# Allegro board 8880F5-0823_9.brd (continued)
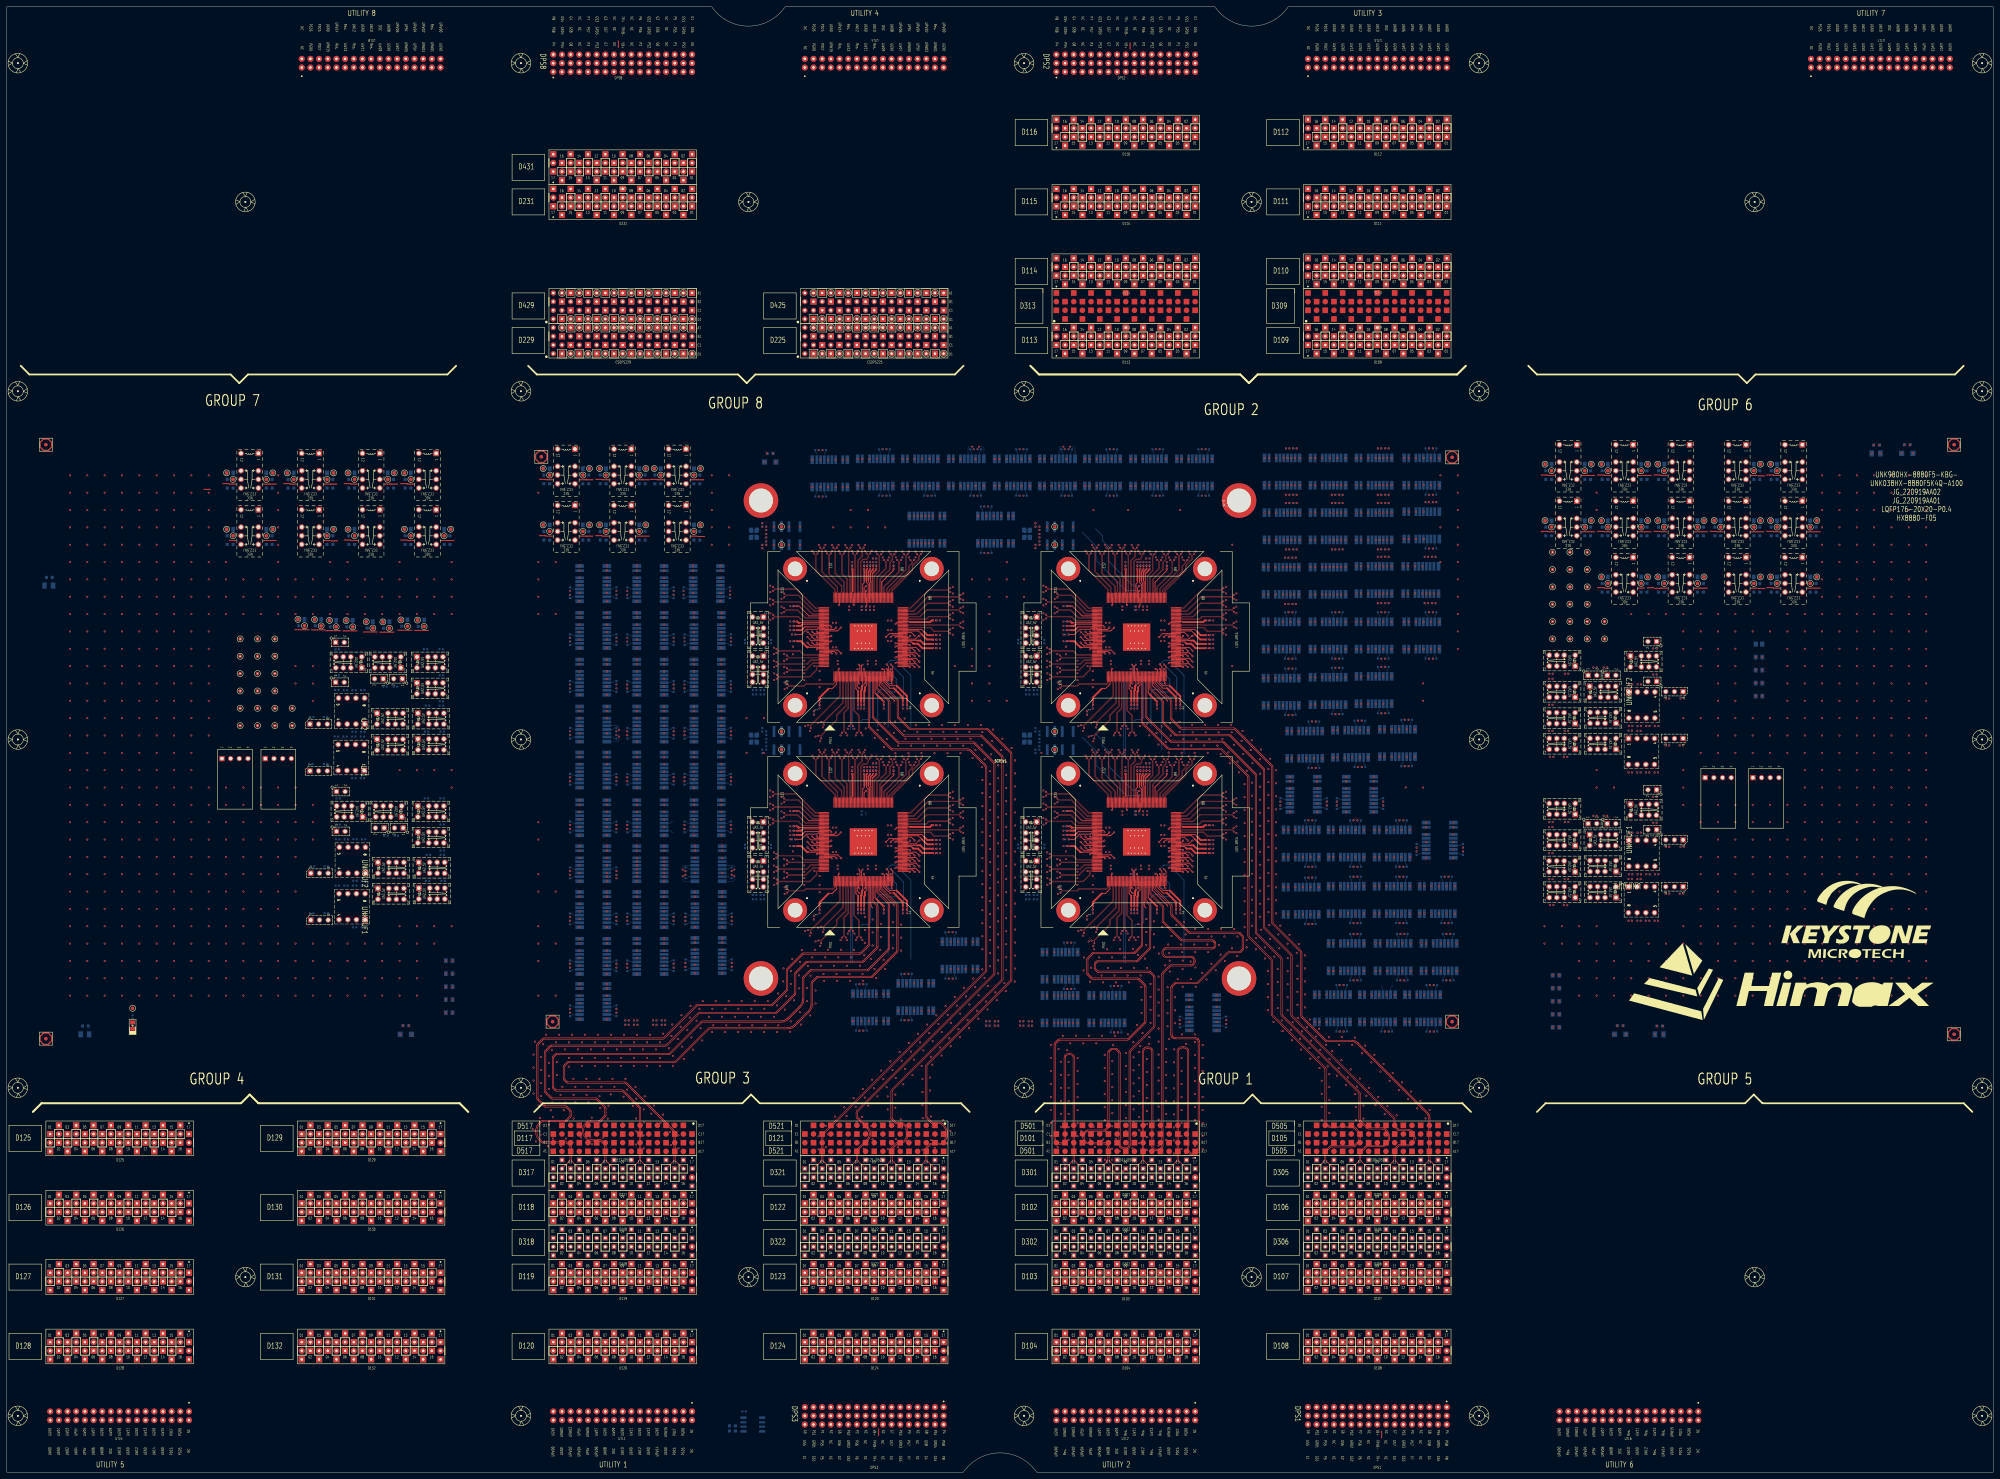
[diagram p0: board, top side]
## Routing (per net, layer and track width the routed paths; a pad name or vN(x,y) marks a point on that pad's centre or on a via; arc(x,y) is an arc through that point) (continued)
  L32_SIGNAL w0.071: v1(376.7,270.32) 376.23,269.85 376.23,268.9 375.8,268.48 357.74,268.48 356.74,269.48 349.23,269.48 347.7,267.96 347.18,267.96 346.97,268.16 346.97,268.46 v1(346.5,268.93)
D11901: length 833.7
  TOP w0.086: v1(248.93,209.15) 248.55,208.77 248.55,197.86 248.63,197.78 SITE3.116
  L07_SIGNAL w0.071: D119.01 162.33,53.57 162.33,48.73 160.09,46.49 151.15,46.49 145.39,52.25 145.39,176.4 167.54,198.56 178.26,198.56 179.96,200.25 179.96,202.65 179.52,203.09 178.97,203.09 v1(178.5,203.56)
  L30_SIGNAL w0.071: v1(248.93,209.15) 248.46,208.68 248.46,201.64 241.68,194.86 226.06,194.86 224.13,196.78 220.58,196.78 218.06,194.26 160.97,194.26 148.36,181.64 87.98,181.64 82.22,175.88 44.84,175.88 35.71,185 35.71,199.83 36.24,200.36 37.1,200.36 37.56,199.89 37.56,185.19 38.4,184.36 39.41,184.36 40.02,184.96 40.02,199.61 40.83,200.42 42.2,200.42 42.96,199.66 42.96,180.05 44.59,178.42 82.72,178.42 83.37,179.07 83.37,180.53 82.77,181.13 45.25,181.13 44.49,181.89 44.49,183.21 45.48,184.2 82.77,184.2 83.22,184.65 83.22,186.21 82.88,186.56 46.92,186.56 45.11,188.37 45.11,198.97 46.1,199.96 94.67,199.96 95.37,200.65 129.04,200.65 129.87,199.83 167.76,199.83 170.29,202.36 176.03,202.36 176.76,203.09 178.02,203.09 v1(178.5,203.56)
D11902: length 833.7
  TOP w0.086: SITE3.126 244.63,197.78 244.55,197.86 244.55,199.62 240.83,203.34 240.83,208.7 v1(241.28,209.15)
  L07_SIGNAL w0.071: v1(178.5,189.59) 178.03,189.12 176.56,189.12 169.97,182.53 169.97,142.98 155.24,128.25 155.24,108.94 148.74,102.44 148.74,67.93 154.82,61.85 164.45,61.85 165,61.3 165,60.86 D119.02
  L30_SIGNAL w0.071: v1(178.5,189.59) 178.03,189.12 177,189.12 175.89,188.02 175.1,188.02 173.97,186.89 173.97,176.76 168.84,171.63 166.32,171.63 162.98,168.29 154.46,168.29 153.12,169.63 107.51,169.63 105.05,167.16 44.24,167.16 42.37,165.3 42.37,141.32 41.87,140.82 40.75,140.82 40.35,141.21 40.35,178.08 39.82,178.61 37.94,178.61 37.33,178 37.33,140.96 36.68,140.3 35.64,140.3 35.1,140.84 35.1,199.35 34.57,199.88 32.97,199.88 31.79,198.71 31.79,140.62 31.24,140.07 30.48,140.07 29.85,140.7 29.85,200.11 30.97,201.23 167.58,201.23 174.53,208.19 212.1,208.19 213.75,209.83 232.99,209.83 236.51,206.3 239.96,206.3 240.81,207.15 240.81,208.68 v1(241.28,209.15)
D11903: length 833.7
  TOP w0.086: v1(247.79,209.15) 248.31,208.63 248.31,197.86 248.23,197.78 SITE3.117
  L07_SIGNAL w0.071: D119.03 163.86,54.64 163,54.64 162.53,54.18 162.53,48.65 160.18,46.29 151.06,46.29 145.19,52.17 145.19,176.48 167.46,198.75 178.18,198.75 179.76,200.33 179.76,202.57 179.44,202.89 178.97,202.89 v1(178.5,202.42)
  L30_SIGNAL w0.071: v1(178.5,202.42) 178.03,202.89 176.84,202.89 176.11,202.16 170.37,202.16 167.84,199.63 129.79,199.63 128.96,200.45 95.45,200.45 94.76,199.76 46.18,199.76 45.3,198.89 45.3,188.45 47,186.76 82.96,186.76 83.42,186.3 83.42,184.57 82.85,184.01 45.56,184.01 44.69,183.13 44.69,181.97 45.33,181.33 82.85,181.33 83.57,180.61 83.57,178.99 82.8,178.22 44.51,178.22 42.76,179.97 42.76,199.58 42.11,200.22 40.91,200.22 40.21,199.53 40.21,184.88 39.49,184.16 38.31,184.16 37.36,185.11 37.36,199.81 37.02,200.16 36.32,200.16 35.91,199.75 35.91,185.08 44.92,176.07 82.13,176.07 87.9,181.84 148.27,181.84 160.89,194.46 217.98,194.46 220.5,196.98 224.21,196.98 226.14,195.06 241.6,195.06 248.26,201.72 248.26,208.68 v1(247.79,209.15)
D11904: length 833.7
  TOP w0.086: v1(240.14,209.15) 240.59,208.7 240.59,203.24 244.31,199.52 244.31,197.86 244.23,197.78 SITE3.127
  L07_SIGNAL w0.071: v1(178.5,188.45) 178.03,188.92 176.64,188.92 170.17,182.45 170.17,142.9 155.44,128.17 155.44,108.86 148.94,102.36 148.94,68.01 154.9,62.05 164.53,62.05 165.2,61.38 165.2,60.86 D119.04
  L30_SIGNAL w0.071: v1(178.5,188.45) 178.02,188.92 177.08,188.92 175.98,187.82 175.18,187.82 174.16,186.8 174.16,176.68 168.92,171.43 166.4,171.43 163.06,168.09 154.37,168.09 153.04,169.43 107.6,169.43 105.13,166.96 44.32,166.96 42.57,165.21 42.57,141.23 41.95,140.62 40.67,140.62 40.15,141.13 40.15,177.99 39.74,178.41 38.02,178.41 37.53,177.92 37.53,140.87 36.76,140.1 35.55,140.1 34.9,140.76 34.9,199.27 34.49,199.68 33.05,199.68 31.99,198.62 31.99,140.54 31.33,139.87 30.4,139.87 29.65,140.62 29.65,200.19 30.89,201.43 167.49,201.43 174.45,208.38 212.02,208.38 213.66,210.03 233.07,210.03 236.6,206.5 239.88,206.5 240.61,207.23 240.61,208.68 v1(240.14,209.15)
D11905: length 833.7
  TOP w0.086: SITE3.120 247.03,197.78 246.95,197.86 246.95,202.28 246.61,202.62 246.61,210.41 v1(247.07,210.87)
  L07_SIGNAL w0.071: v1(164.91,203.56) 165.38,203.09 166.07,203.09 166.39,202.77 166.39,198.61 141.42,173.65 141.42,53.7 151.08,44.04 170.05,44.04 172.62,46.62 172.62,53.44 D119.05
  L30_SIGNAL w0.071: v1(164.91,203.56) 165.38,203.09 166.68,203.09 169.42,205.82 169.42,207.74 168.51,208.64 156.85,208.64 150.45,202.24 28.6,202.24 27.39,201.04 27.39,147.22 27.01,146.83 25.19,146.83 24.75,147.27 24.75,192 23.86,192.88 23.14,192.88 22.38,192.12 22.38,139.67 21.77,139.05 20.07,139.05 19.4,139.72 19.4,198.99 24.08,203.66 148.53,203.66 155.18,210.32 211.32,210.32 217.62,216.63 241.91,216.63 246.6,211.94 246.6,211.34 v1(247.07,210.87)
D11906: length 833.7
  TOP w0.086: v1(250.93,210.87) 250.46,210.4 250.46,208.18 249.35,207.06 249.35,197.86 249.43,197.78 SITE3.114
  L07_SIGNAL w0.071: D119.06 175.14,60.84 175.14,61.76 174.41,62.48 156.56,62.48 151.78,67.26 151.78,102.36 157.96,108.54 157.96,126.69 171.06,139.79 171.06,179.9 180.28,189.12 181.2,189.12 v1(181.67,189.59)
  L30_SIGNAL w0.071: v1(181.67,189.59) 181.21,189.12 180.25,189.12 178.94,190.43 175.23,190.43 172.87,188.07 167.34,188.07 165.49,186.22 156.84,186.22 156.24,185.61 156.24,183.87 156.82,183.29 166.23,183.29 166.81,182.7 166.81,180.98 165.9,180.07 130.94,180.07 130.29,179.42 130.29,178.55 130.95,177.89 163.56,177.89 164.22,177.23 164.22,176.57 163.6,175.95 131.15,175.95 130.1,174.91 130.1,173.9 130.86,173.14 164.44,173.14 165.31,174.02 168.46,174.02 168.76,173.72 168.76,173.04 168.28,172.56 166.12,172.56 165.02,171.46 130.64,171.46 129.1,173 95.68,173 91.82,169.14 43.72,169.14 43.06,169.8 43.06,170.81 43.64,171.39 92.24,171.39 92.95,172.1 92.95,172.93 92.52,173.36 43.27,173.36 43.02,173.6 43.02,174.09 43.26,174.32 82.23,174.32 88.6,180.7 148.8,180.7 160.42,192.32 224.29,192.32 226.05,194.08 227.84,194.08 229.18,192.74 241.58,192.74 250.46,201.62 250.46,210.4 v1(250.93,210.87)
D11907: length 833.7
  TOP w0.086: SITE3.121 246.63,197.78 246.71,197.86 246.71,202.19 246.38,202.52 246.38,210.42 v1(245.93,210.87)
  L07_SIGNAL w0.071: D119.07 172.82,53.44 172.82,46.54 170.13,43.84 151,43.84 141.23,53.62 141.23,173.73 166.19,198.69 166.19,202.69 165.99,202.89 165.38,202.89 v1(164.91,202.42)
  L30_SIGNAL w0.071: v1(164.91,202.42) 165.38,202.89 166.76,202.89 169.61,205.74 169.61,207.82 168.6,208.84 156.76,208.84 150.36,202.44 28.52,202.44 27.2,201.12 27.2,147.3 26.93,147.03 25.27,147.03 24.95,147.36 24.95,192.08 23.94,193.08 23.06,193.08 22.18,192.21 22.18,139.75 21.68,139.25 20.15,139.25 19.6,139.8 19.6,198.9 24.16,203.46 148.61,203.46 155.27,210.12 211.4,210.12 217.71,216.43 241.83,216.43 246.4,211.86 246.4,211.34 v1(245.93,210.87)
D11908: length 833.7
  TOP w0.086: SITE3.115 249.03,197.78 249.11,197.86 249.11,207.16 250.22,208.28 250.22,210.43 v1(249.79,210.87)
  L07_SIGNAL w0.071: v1(181.67,188.45) 181.2,188.92 180.37,188.92 171.26,179.81 171.26,139.71 158.16,126.61 158.16,108.46 151.98,102.28 151.98,67.34 156.64,62.68 174.5,62.68 175.34,61.84 175.34,60.88 D119.08
  L30_SIGNAL w0.071: v1(249.79,210.87) 250.26,210.4 250.26,201.7 241.5,192.94 229.26,192.94 227.92,194.27 225.97,194.27 224.21,192.51 160.33,192.51 148.71,180.89 88.52,180.89 82.15,174.52 43.17,174.52 42.83,174.17 42.83,173.52 43.19,173.16 92.44,173.16 92.75,172.85 92.75,172.18 92.16,171.59 43.56,171.59 42.86,170.9 42.86,169.71 43.64,168.94 91.9,168.94 95.76,172.8 129.02,172.8 130.56,171.26 165.1,171.26 166.21,172.36 168.37,172.36 168.96,172.95 168.96,173.8 168.55,174.21 165.23,174.21 164.36,173.34 130.94,173.34 130.3,173.98 130.3,174.83 131.23,175.76 163.69,175.76 164.42,176.49 164.42,177.31 163.64,178.09 131.03,178.09 130.49,178.63 130.49,179.34 131.03,179.88 165.98,179.88 167.01,180.9 167.01,182.79 166.31,183.48 156.9,183.48 156.44,183.95 156.44,185.53 156.93,186.02 165.57,186.02 167.42,187.87 172.95,187.87 175.31,190.23 178.86,190.23 180.16,188.93 181.2,188.93 v1(181.67,188.45)
D11909: length 833.7
  TOP w0.086: SITE3.81 263.98,190.43 264.06,190.51 267.46,190.51 269.46,192.51 278.8,192.51 v1(279.29,192.02)
  L07_SIGNAL w0.071: v1(250.81,142.94) 250.33,142.47 250.33,141.84 248.85,140.35 248.85,137.45 208.13,96.73 208.13,53.31 202.8,47.98 184.31,47.98 183.01,49.28 183.01,53.41 181.62,54.8 181.42,54.8 D119.09
  L30_SIGNAL w0.071: v1(250.81,142.94) 250.33,142.46 250.33,141.49 250.71,141.11 252.76,141.11 255.37,143.72 255.37,146.79 257.5,148.93 257.5,166.01 261.97,170.48 261.97,189.9 264.69,192.62 264.69,194.3 263.9,195.09 251.41,195.09 244.31,188 241.52,188 241.05,188.47 228.94,188.47 222.16,181.69 216.52,181.69 215.57,182.64 184.19,182.64 183.8,182.25 183.8,172.37 186.67,169.49 186.67,159.4 181.01,153.74 97.96,153.74 97.58,153.36 97.58,152.2 98.09,151.69 127.64,151.69 128.63,152.67 139.17,152.67 139.97,151.88 139.97,149.96 139.04,149.03 127.92,149.03 126.59,150.36 98.68,150.36 97.67,149.34 97.67,148.1 98.05,147.71 139.52,147.71 140.78,146.45 140.78,145.65 139.8,144.67 126.52,144.67 125.61,145.58 96.91,145.58 95.79,146.7 95.79,155.21 97.12,156.55 166.54,156.55 176.39,166.39 176.39,170.49 179.4,173.51 179.4,182.62 181.36,184.58 210.71,184.58 214.65,188.52 226.99,188.52 228.39,189.92 244.68,189.92 251.17,196.41 271.91,196.41 275.48,192.84 277.24,192.84 279.47,190.61 280.88,190.61 281.3,191.03 281.3,191.99 280.8,192.49 279.76,192.49 v1(279.29,192.02)
D11910: length 833.7
  TOP w0.086: SITE3.87 263.98,192.83 264.06,192.91 264.57,192.91 269.88,198.23 275.83,198.23 v1(276.24,197.81)
  L07_SIGNAL w0.071: v1(178.5,176.13) 178.03,175.66 177.16,175.66 176.33,176.49 175.06,176.49 172.12,173.54 172.12,128.3 170.32,126.5 170.32,119.03 172.11,117.23 191.01,117.23 203.04,105.2 203.04,64.61 201.1,62.68 186.35,62.68 185.65,61.98 185.65,61.03 185.04,60.42 184.88,60.42 D119.10
  L30_SIGNAL w0.071: v1(178.5,176.13) 178.02,175.66 177.57,175.66 177.3,175.39 177.3,173.43 176.16,172.29 175.44,172.29 174.34,171.19 174.34,167.39 164.43,157.49 48.88,157.49 47.54,156.16 47.54,153.31 49.16,151.7 92.72,151.7 93.81,150.61 93.81,148.01 92.6,146.8 48.23,146.8 47.38,145.96 47.38,144.59 48.58,143.39 112,143.39 112.54,142.85 112.54,141.2 112,140.65 45.8,140.65 44.75,141.7 44.75,162.96 45.55,163.75 127.05,163.75 130.4,167.1 167.87,167.1 169.09,168.33 169.09,170.09 176.57,177.57 176.57,182.68 178.97,185.08 210.54,185.08 214.32,188.86 225.81,188.86 227.67,190.71 243.03,190.71 250.6,198.28 275.77,198.28 v1(276.24,197.81)
D11911: length 833.7
  TOP w0.086: SITE3.82 263.98,190.83 264.06,190.75 267.37,190.75 269.36,192.75 278.88,192.75 v1(279.29,193.16)
  L07_SIGNAL w0.071: v1(249.66,142.94) 250.14,142.47 250.14,141.92 248.65,140.44 248.65,137.53 207.93,96.82 207.93,53.4 202.71,48.17 184.39,48.17 183.21,49.36 183.21,53.67 D119.11
  L30_SIGNAL w0.071: v1(249.66,142.94) 250.13,142.47 250.13,141.41 250.63,140.91 252.84,140.91 255.56,143.63 255.56,146.71 257.7,148.85 257.7,165.93 262.17,170.39 262.17,189.82 264.89,192.54 264.89,194.38 263.98,195.29 251.32,195.29 244.23,188.19 241.61,188.19 241.13,188.67 228.86,188.67 222.08,181.89 216.6,181.89 215.66,182.83 184.11,182.83 183.6,182.33 183.6,172.28 186.48,169.41 186.48,159.49 180.93,153.94 97.88,153.94 97.38,153.44 97.38,152.12 98,151.49 127.73,151.49 128.71,152.48 139.09,152.48 139.77,151.8 139.77,150.04 138.95,149.23 128.01,149.23 126.68,150.56 98.6,150.56 97.47,149.43 97.47,148.02 97.97,147.52 139.44,147.52 140.59,146.37 140.59,145.73 139.72,144.86 126.61,144.86 125.69,145.78 96.99,145.78 95.99,146.78 95.99,155.13 97.2,156.35 166.62,156.35 176.59,166.31 176.59,170.41 179.6,173.42 179.6,182.53 181.45,184.38 210.79,184.38 214.74,188.32 227.07,188.32 228.47,189.72 244.76,189.72 251.25,196.21 271.83,196.21 275.4,192.64 277.15,192.64 279.39,190.41 280.96,190.41 281.5,190.95 281.5,192.08 280.89,192.69 279.76,192.69 v1(279.29,193.16)
D11912: length 833.7
  TOP w0.086: v1(276.24,198.95) 275.76,198.47 269.78,198.47 264.47,193.15 264.06,193.15 263.98,193.23 SITE3.88
  L07_SIGNAL w0.071: v1(178.5,174.99) 178.03,175.46 177.08,175.46 176.25,176.29 175.15,176.29 172.31,173.46 172.31,128.22 170.51,126.42 170.51,119.12 172.2,117.43 191.09,117.43 203.24,105.28 203.24,64.53 201.19,62.48 186.43,62.48 185.85,61.9 185.85,60.53 D119.12
  L30_SIGNAL w0.071: v1(276.24,198.95) 275.77,198.48 250.52,198.48 242.95,190.91 227.59,190.91 225.73,189.06 214.24,189.06 210.46,185.28 178.89,185.28 176.37,182.76 176.37,177.66 168.89,170.17 168.89,168.41 167.78,167.3 130.32,167.3 126.96,163.95 45.47,163.95 44.56,163.04 44.56,141.62 45.72,140.45 112.08,140.45 112.74,141.11 112.74,142.94 112.08,143.59 48.66,143.59 47.58,144.67 47.58,145.87 48.31,146.6 92.68,146.6 94,147.93 94,150.69 92.8,151.89 49.24,151.89 47.74,153.39 47.74,156.07 48.96,157.29 164.52,157.29 174.53,167.31 174.53,171.1 175.52,172.09 176.24,172.09 177.5,173.35 177.5,175.31 177.65,175.46 178.03,175.46 v1(178.5,174.99)
D11913: length 833.7
  TOP w0.086: SITE3.122 246.23,197.78 246.15,197.86 246.15,201.71 244.69,203.17 244.69,208.7 v1(245.14,209.15)
  L07_SIGNAL w0.071: v1(212.03,203.56) 212.5,203.09 213.45,203.09 214.13,203.78 214.13,211.17 219.55,216.59 219.55,224.99 227.45,232.88 258.03,232.88 261.92,236.78 261.92,249.51 256.69,254.74 239.97,254.74 233.79,248.56 233.79,246.12 231.95,244.28 225.63,244.28 222.98,241.63 217.45,241.63 216.08,240.26 216.08,222.49 213.25,219.67 209.05,219.67 208.45,219.06 208.45,135.63 207.41,134.59 206.06,134.59 205.1,135.56 205.1,219.48 204.66,219.91 204.05,219.91 203.78,219.64 203.78,139.65 203.31,139.18 202.49,139.18 202.04,139.62 202.04,200.65 201.42,201.27 200.39,201.27 199.57,200.45 199.57,147.7 198.99,147.12 197.65,147.12 196.05,148.72 196.05,199.99 195.4,200.63 194.76,200.63 194.15,200.02 194.15,141.4 205.38,130.16 205.38,53.08 202.21,49.91 194.2,49.91 193.18,50.92 193.18,53.96 192.32,54.83 191.55,54.83 D119.13
  L30_SIGNAL w0.071: v1(245.14,209.15) 244.67,208.68 244.67,202.26 240,197.59 228.42,197.59 221.33,204.68 210.89,204.68 210.24,204.03 210.24,203.55 210.7,203.09 211.55,203.09 v1(212.03,203.56)
D11914: length 833.7
  TOP w0.086: v1(242.02,210.88) 242.49,210.41 242.49,203.28 245.11,200.65 245.11,197.86 245.03,197.78 SITE3.125
  L07_SIGNAL w0.071: D119.14 194.96,60.34 194.96,61.01 196.11,62.16 201.58,62.16 204.15,64.73 204.15,107.11 189.09,122.17 185.68,122.17 182.77,125.09 182.77,133.73 183.43,134.39 183.43,197.84 192.42,206.83 198.95,206.83 200.29,205.5 200.29,203.58 199.6,202.89 198.91,202.89 v1(198.44,202.42)
  L30_SIGNAL w0.071: v1(198.44,202.42) 197.97,202.89 197.21,202.89 195.78,201.46 180.12,201.46 176.81,198.14 165.68,198.14 164.48,196.94 48.67,196.94 48.08,196.34 48.08,194.83 49.08,193.83 68.84,193.83 69.36,193.31 69.36,192.57 68.9,192.11 48.38,192.11 47.28,191 47.28,189.9 48.72,188.46 84.84,188.46 87.15,186.14 148.09,186.14 148.68,185.55 148.68,184.01 147.34,182.68 107.24,182.68 105.62,184.29 96.86,184.29 95.27,182.7 88.67,182.7 83.97,187.4 47.54,187.4 46.07,188.87 46.07,197.19 47.05,198.17 100.41,198.17 101.23,198.99 168.13,198.99 170.42,201.29 178.32,201.29 179.11,202.07 179.11,203.88 181.38,206.15 222.43,206.15 229.1,199.48 237.33,199.48 242.49,204.65 242.49,210.41 v1(242.02,210.88)
D11915: length 833.7
  TOP w0.086: SITE3.123 245.83,197.78 245.91,197.86 245.91,201.61 244.46,203.07 244.46,208.69 v1(244,209.15)
  L07_SIGNAL w0.071: D119.15 193.38,53.68 193.38,53.56 193.38,51 194.28,50.11 202.13,50.11 205.18,53.16 205.18,130.08 193.95,141.32 193.95,200.1 194.68,200.83 195.48,200.83 196.24,200.07 196.24,148.81 197.73,147.32 198.9,147.32 199.37,147.78 199.37,200.54 200.31,201.47 201.5,201.47 202.24,200.73 202.24,139.71 202.57,139.38 203.23,139.38 203.59,139.74 203.59,219.73 203.97,220.11 204.74,220.11 205.29,219.56 205.29,135.64 206.14,134.79 207.32,134.79 208.25,135.72 208.25,219.15 208.97,219.86 213.17,219.86 215.88,222.58 215.88,240.34 217.37,241.83 222.9,241.83 225.55,244.48 231.87,244.48 233.59,246.2 233.59,248.64 239.89,254.93 256.77,254.93 262.12,249.59 262.12,236.7 258.11,232.69 227.53,232.69 219.74,224.9 219.74,216.5 214.33,211.09 214.33,203.7 213.53,202.89 212.5,202.89 v1(212.03,202.42)
  L30_SIGNAL w0.071: v1(212.03,202.42) 211.55,202.89 210.62,202.89 210.04,203.47 210.04,204.11 210.81,204.87 221.42,204.87 228.5,197.79 239.92,197.79 244.47,202.34 244.47,208.68 v1(244,209.15)
D11916: length 833.7
  TOP w0.086: v1(243.16,210.88) 242.73,210.45 242.73,203.37 245.35,200.75 245.35,197.86 245.43,197.78 SITE3.124
  L07_SIGNAL w0.071: v1(198.44,203.56) 198.91,203.09 199.51,203.09 200.09,203.66 200.09,205.41 198.87,206.63 192.5,206.63 183.63,197.76 183.63,134.31 182.96,133.64 182.96,125.17 185.76,122.37 189.17,122.37 204.35,107.19 204.35,64.65 201.66,61.96 196.19,61.96 195.16,60.93 195.16,59.88 195.42,59.62 196.92,59.62 D119.16
  L30_SIGNAL w0.071: v1(243.16,210.88) 242.69,210.41 242.69,204.57 237.41,199.29 229.02,199.29 222.35,205.96 181.46,205.96 179.31,203.8 179.31,201.99 178.41,201.09 170.51,201.09 168.21,198.79 101.31,198.79 100.49,197.97 47.13,197.97 46.27,197.11 46.27,188.95 47.62,187.6 84.05,187.6 88.75,182.9 95.19,182.9 96.78,184.49 105.7,184.49 107.32,182.87 147.26,182.87 148.48,184.1 148.48,185.47 148,185.95 87.07,185.95 84.76,188.26 48.63,188.26 47.08,189.81 47.08,191.08 48.3,192.3 68.82,192.3 69.16,192.65 69.16,193.22 68.76,193.63 48.99,193.63 47.88,194.75 47.88,196.43 48.59,197.13 164.4,197.13 165.6,198.34 176.72,198.34 180.04,201.66 195.7,201.66 197.13,203.08 197.96,203.08 v1(198.44,203.56)
D12001: length 451.5
  TOP w0.086: v1(267.64,208.93) 267.21,208.5 267.21,207.41 265.32,205.52 265.32,204.13 259.35,198.16 259.35,197.86 259.43,197.78 SITE3.89
  L05_SIGNAL w0.071: v1(164.91,176.13) 165.38,175.66 166.14,175.66 166.45,175.35 166.45,171.77 161.32,166.65 158.93,166.65 157.14,164.86 157.14,126.76 158.12,125.77 158.12,110.78 152.24,104.9 152.24,32.51 155.33,29.42 160.27,29.42 162.44,31.6 162.44,33.14 D120.01
  L32_SIGNAL w0.071: v1(164.91,176.13) 164.91,175.73 164.84,175.66 158.34,175.66 153.4,170.72 153.4,146.33 159.38,140.35 176.55,140.35 177.78,139.12 204.93,139.12 209.84,134.2 228.76,134.2 230.59,136.03 272.08,136.03 281.97,145.92 281.97,198.37 279.78,200.56 274.59,200.56 271.41,197.39 263.24,197.39 261.46,199.16 261.46,201.88 267.17,207.59 267.17,208.46 v1(267.64,208.93)
D12002: length 240.1
  TOP w0.086: v1(224.31,195.45) 224.75,195.01 232.43,195.01 235.88,191.55 237.6,191.55 237.68,191.63 SITE3.137
  L05_SIGNAL w0.071: D120.02 164.98,40.52 164.98,42.49 163.22,44.25 159.11,44.25 153.1,50.27 153.1,103.35 160.19,110.44 160.19,125.17 159.17,126.19 159.17,159.19 162.18,162.2 164.44,162.2 v1(164.91,162.67)
  L32_SIGNAL w0.071: v1(164.91,162.67) 165.38,162.2 166.77,162.2 171.92,167.34 171.92,170.43 173.15,171.66 211.81,171.66 216.38,176.23 216.38,190.31 221.05,194.98 223.83,194.98 v1(224.31,195.45)
D12003: length 450.9
  TOP w0.086: v1(266.5,208.93) 266.97,208.46 266.97,207.51 265.08,205.62 265.08,204.23 259.11,198.26 259.11,197.86 259.03,197.78 SITE3.90
  L05_SIGNAL w0.071: v1(164.91,174.99) 165.38,175.46 166.06,175.46 166.25,175.27 166.25,171.86 161.24,166.84 158.85,166.84 156.94,164.94 156.94,126.67 157.93,125.69 157.93,110.86 152.04,104.98 152.04,32.43 155.25,29.22 160.35,29.22 162.64,31.52 162.64,33.1 D120.03
  L32_SIGNAL w0.071: v1(164.91,174.99) 164.91,175.39 164.84,175.46 158.42,175.46 153.6,170.64 153.6,146.41 159.47,140.55 176.64,140.55 177.87,139.32 205.01,139.32 209.92,134.4 228.68,134.4 230.5,136.23 272,136.23 281.77,146 281.77,198.29 279.7,200.36 274.67,200.36 271.5,197.19 263.16,197.19 261.26,199.08 261.26,201.96 266.97,207.67 266.97,208.46 v1(266.5,208.93)
D12004: length 239.8
  TOP w0.086: v1(224.31,194.31) 224.76,194.77 232.33,194.77 235.78,191.31 237.6,191.31 237.68,191.23 SITE3.138
  L05_SIGNAL w0.071: v1(164.91,161.52) 164.44,162 162.26,162 159.37,159.1 159.37,126.27 160.39,125.25 160.39,110.36 153.3,103.27 153.3,50.35 159.2,44.45 163.3,44.45 165.18,42.57 165.18,40.56 D120.04
  L32_SIGNAL w0.071: v1(224.31,194.31) 223.83,194.78 221.13,194.78 216.57,190.23 216.57,176.14 211.89,171.46 173.23,171.46 172.12,170.35 172.12,167.26 166.86,162 165.38,162 v1(164.91,161.52)
D12005: length 304.1
  TOP w0.086: v1(239.3,210.88) 238.85,210.43 238.85,203.79 243.35,199.29 243.35,197.86 243.43,197.78 SITE3.129
  L05_SIGNAL w0.071: v1(164.91,189.59) 165.38,189.12 165.95,189.12 166.55,188.51 166.55,184.14 154.07,171.66 154.07,128.58 155.4,127.24 155.4,109.79 151.19,105.58 151.19,30.79 154.56,27.41 169.1,27.41 172.59,30.91 172.59,33.15 D120.05
  L32_SIGNAL w0.071: v1(164.91,189.59) 165.38,189.12 166.7,189.12 169.03,191.45 169.03,198.91 171.78,201.66 214.65,201.66 225.85,212.86 238.15,212.86 238.83,212.18 238.83,211.35 v1(239.3,210.88)
D12006: length 243.1
  TOP w0.086: SITE3.142 237.68,189.63 237.6,189.55 233.04,189.55 231.83,190.76 224.76,190.76 v1(224.31,191.21)
  L05_SIGNAL w0.071: v1(164.91,148.95) 164.44,148.48 163.74,148.48 162.56,147.3 162.56,114.64 161.19,113.28 161.19,106.57 153.93,99.3 153.93,52.05 159.94,46.03 171.67,46.03 175.2,42.5 175.2,40.58 D120.06
  L32_SIGNAL w0.071: v1(224.31,191.21) 223.83,190.74 223.24,190.74 220.2,187.7 220.2,170.6 217.11,167.51 180.67,167.51 176.77,163.62 176.77,150.74 175.28,149.25 167.53,149.25 166.77,148.48 165.38,148.48 v1(164.91,148.95)
D12007: length 304.1
  TOP w0.086: v1(238.16,210.88) 238.61,210.43 238.61,203.69 243.11,199.19 243.11,197.86 243.03,197.78 SITE3.130
  L05_SIGNAL w0.071: D120.07 172.79,33.09 172.79,30.82 169.18,27.22 154.48,27.22 150.99,30.7 150.99,105.66 155.21,109.87 155.21,127.16 153.87,128.49 153.87,171.74 166.35,184.22 166.35,188.43 165.86,188.92 165.38,188.92 v1(164.91,188.45)
  L32_SIGNAL w0.071: v1(164.91,188.45) 165.38,188.92 166.78,188.92 169.23,191.37 169.23,198.83 171.86,201.46 214.73,201.46 225.93,212.66 238.07,212.66 238.63,212.1 238.63,211.35 v1(238.16,210.88)
D12008: length 242.8
  TOP w0.086: v1(224.31,190.07) 224.76,190.52 231.73,190.52 232.94,189.31 237.6,189.31 237.68,189.23 SITE3.143
  L05_SIGNAL w0.071: v1(164.91,147.81) 164.44,148.28 163.82,148.28 162.76,147.22 162.76,114.56 161.39,113.2 161.39,106.49 154.12,99.22 154.12,52.13 160.02,46.23 171.75,46.23 175.4,42.58 175.4,40.5 D120.08
  L32_SIGNAL w0.071: v1(224.31,190.07) 223.83,190.54 223.32,190.54 220.4,187.62 220.4,170.52 217.2,167.31 180.75,167.31 176.97,163.53 176.97,150.66 175.36,149.05 167.62,149.05 166.85,148.28 165.38,148.28 v1(164.91,147.81)
D12009: length 258.4
  TOP w0.086: SITE3.140 237.68,190.43 237.6,190.35 233.88,190.35 231.52,192.7 228.04,192.7 v1(227.6,193.14)
  L05_SIGNAL w0.071: v1(178.5,148.95) 178.97,148.48 179.83,148.48 180.36,147.95 180.36,130.78 185.34,125.8 185.34,117.82 207.82,95.35 207.82,32.43 202.9,27.51 185.8,27.51 182.78,30.53 182.78,33.12 D120.09
  L32_SIGNAL w0.071: v1(178.5,148.95) 178.97,148.48 180.14,148.48 181.68,150.03 183.23,150.03 183.83,149.43 192.43,149.43 197.31,154.31 211.64,154.31 226.13,168.8 226.13,192.18 226.62,192.67 227.13,192.67 v1(227.6,193.14)
D12010: length 331.8
  TOP w0.086: v1(263.79,208.93) 263.34,208.49 263.34,204.27 257.75,198.68 257.75,197.86 257.83,197.78 SITE3.93
  L05_SIGNAL w0.071: D120.10 185.3,40.52 185.3,44.75 188.98,48.43 199.81,48.43 203.42,52.04 203.42,92.96 199.6,96.78 189.17,96.78 169.39,116.56 169.39,124.8 170.72,126.12 170.72,199.25 180.08,208.61 180.08,216.14 180.49,216.55 181.2,216.55 v1(181.67,217.02)
  L32_SIGNAL w0.071: v1(263.79,208.93) 263.31,209.4 263.31,213.14 260.75,215.71 260.75,217.22 257.42,220.55 234.34,220.55 230.43,216.64 221.51,216.64 218.31,219.84 199.35,219.84 197.58,218.06 197.58,216.06 196.49,214.97 184.93,214.97 183.36,216.55 182.15,216.55 v1(181.67,217.02)
D12011: length 257.5
  TOP w0.086: SITE3.141 237.68,190.03 237.6,190.11 233.78,190.11 231.43,192.46 228.06,192.46 v1(227.6,192)
  L05_SIGNAL w0.071: v1(178.5,147.81) 178.97,148.28 179.75,148.28 180.16,147.87 180.16,130.7 185.15,125.71 185.15,117.74 207.62,95.27 207.62,32.51 202.82,27.71 185.88,27.71 182.98,30.61 182.98,33.12 D120.11
  L32_SIGNAL w0.071: v1(227.6,192) 227.13,192.47 226.7,192.47 226.33,192.1 226.33,168.72 211.72,154.11 197.39,154.11 192.51,149.23 183.74,149.23 183.15,149.83 181.77,149.83 180.22,148.28 178.97,148.28 v1(178.5,147.81)
D12012: length 331.2
  TOP w0.086: SITE3.94 257.43,197.78 257.51,197.86 257.51,198.78 263.1,204.37 263.1,208.47 v1(262.64,208.93)
  L05_SIGNAL w0.071: v1(181.67,215.88) 181.2,216.35 180.57,216.35 180.28,216.06 180.28,208.53 170.92,199.17 170.92,126.04 169.59,124.71 169.59,116.64 189.26,96.97 199.68,96.97 203.62,93.04 203.62,51.96 199.89,48.23 189.06,48.23 185.5,44.67 185.5,40.56 D120.12
  L32_SIGNAL w0.071: v1(262.64,208.93) 263.12,209.4 263.12,213.06 260.55,215.63 260.55,217.14 257.33,220.36 234.42,220.36 230.51,216.44 221.42,216.44 218.23,219.64 199.43,219.64 197.77,217.98 197.77,215.98 196.57,214.77 184.85,214.77 183.27,216.35 182.15,216.35 v1(181.67,215.88)
